# Altium PCB PCB.PcbDoc (part 8 of 10) (continued)
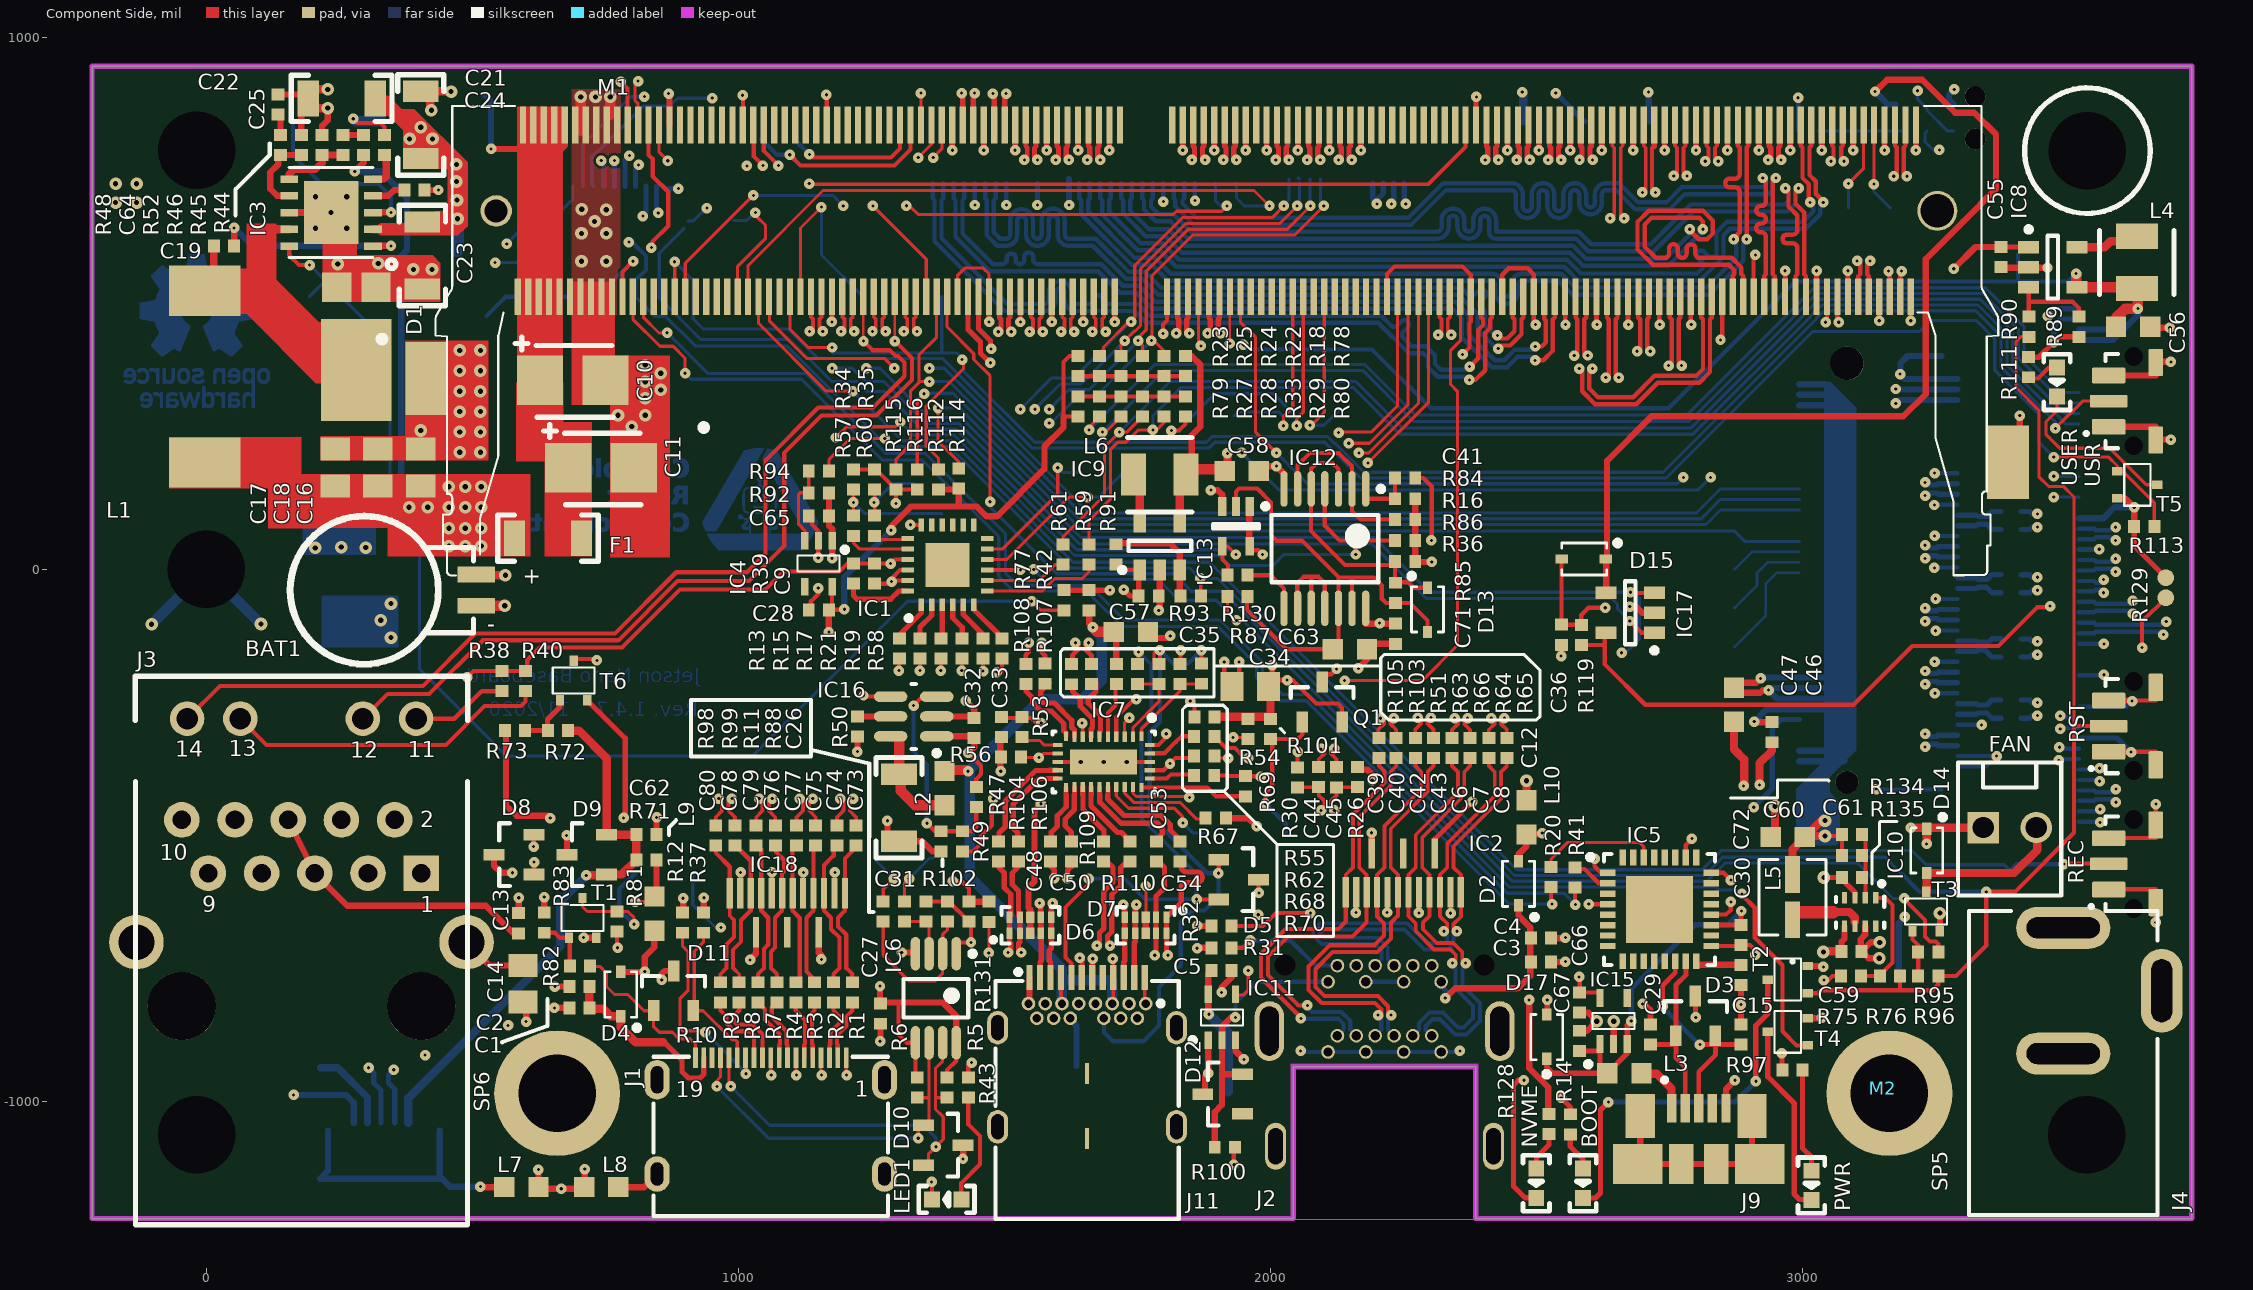
[diagram p0: Component Side view]
## Nets (pads, with @x,y where several pads share a name; then routed paths per layer and width w, separated by ;. In a path a pad name is that pad's centre, name@x,y a point inside that pad or via, vN(x,y) a via of type N, cw(c..) or ccw(c..) an arc to the next point about the centre after c; other vN are vias at no path point) (continued)
18.52,363.51 ; 13.1,363.87 18.52,363.87 ; 13.1,364.23 18.52,364.23 ; 13.1,364.59 18.52,364.59 ; 13.1,364.95 18.52,364.95 ; 13.1,365.32 18.52,365.32 ; 13.1,365.68 18.52,365.68 ; 13.1,366.04 18.52,366.04 ; 13.1,366.4 18.52,366.4 ; 13.1,366.76 18.52,366.76 ; 13.1,367.12 18.52,367.12 ; 13.1,367.49 18.52,367.49 ; 13.1,367.85 18.52,367.85 ; 13.1,368.21 18.52,368.21 ; 13.1,368.57 18.88,368.57 ; 13.1,368.93 18.88,368.93 ; 13.1,369.29 18.88,369.29 ; 13.1,369.65 19.24,369.65 ; 13.1,370.02 19.24,370.02 ; 13.1,370.38 19.61,370.38 ; 13.1,370.74 19.61,370.74 ; 13.1,371.1 19.97,371.1 ; 13.1,410.86 14.91,410.86 ; 13.1,411.23 15.63,411.23 ; 13.46,371.46 20.33,371.46 ; 13.46,371.82 20.69,371.82 ; 13.46,372.18 21.05,372.18 ; 13.46,410.5 14.18,410.5 ; 13.82,372.55 21.77,372.55 ; 13.82,372.91 22.86,372.91 ; 14.18,373.27 35.51,373.27 ; 14.18,373.63 35.51,373.63 ; 14.54,373.99 35.51,373.99 ; 14.54,374.35 35.51,374.35 ; 14.91,374.72 35.51,374.72 ; 15.27,375.08 35.51,375.08 ; 15.63,375.44 29.73,375.44 ; 15.99,330.61 28.28,330.61 ; 15.99,330.97 27.92,330.97 ; 15.99,331.34 27.56,331.34 ; 15.99,375.8 29.37,375.8 ; 15.99,376.16 29,376.16 ; 16.35,330.25 28.64,330.25 ; 16.35,331.7 26.83,331.7 ; 16.71,329.89 34.79,329.89 ; 16.71,376.52 28.64,376.52 ; 17.07,329.53 34.79,329.53 ; 17.07,332.06 26.11,332.06 ; 17.07,376.88 27.92,376.88 ; 17.44,329.17 34.79,329.17 ; 17.8,328.44 34.79,328.44 ; 17.8,328.81 34.79,328.81 ; 17.8,332.42 25.75,332.42 ; 17.8,377.25 27.56,377.25 ; 18.16,328.08 34.79,328.08 ; 18.52,327.72 22.86,327.72 ; 18.52,332.78 24.67,332.78 ; 18.52,377.61 26.83,377.61 ; 18.88,327.36 21.41,327.36 ; 19.24,327 20.69,327 ; 19.24,377.97 26.11,377.97 ; 19.61,326.64 19.97,326.64 ; 19.97,333.14 22.86,333.14 ; 20.33,378.33 24.67,378.33 ; 23.58,555.82 63.71,555.82 ; 23.94,327.72 34.79,327.72 ; 24.3,556.18 63.35,556.18 ; 24.67,556.54 62.98,556.54 ; 25.03,415.56 62.62,415.56 ; 25.03,556.91 62.62,556.91 ; 25.75,327.36 34.79,327.36 ; 25.75,372.91 35.51,372.91 ; 25.75,415.2 62.26,415.2 ; 25.75,557.27 62.26,557.27 ; 26.11,557.63 61.9,557.63 ; 26.47,327 34.79,327 ; 26.47,414.84 61.9,414.84 ; 26.83,326.64 34.79,326.64 ; 26.83,372.55 35.51,372.55 ; 26.83,414.48 61.54,414.48 ; 26.83,557.99 61.54,557.99 ; 27.2,558.35 61.18,558.35 ; 27.56,325.91 34.79,325.91 ; 27.56,326.28 34.79,326.28 ; 27.56,372.18 35.51,372.18 ; 27.56,414.12 61.18,414.12 ; 27.92,325.55 34.79,325.55 ; 27.92,371.82 35.51,371.82 ; 27.92,413.76 60.82,413.76 ; 27.92,558.71 60.82,558.71 ; 28.28,324.83 34.79,324.83 ; 28.28,325.19 34.79,325.19 ; 28.28,371.46 35.51,371.46 ; 28.28,559.08 60.45,559.08 ; 28.64,324.11 34.79,324.11 ; 28.64,324.47 34.79,324.47 ; 28.64,371.1 35.51,371.1 ; 28.64,413.39 60.45,413.39 ; 29,304.59 34.79,304.59 ; 29,304.95 34.79,304.95 ; 29,305.31 34.79,305.31 ; 29,305.67 34.79,305.67 ; 29,306.03 34.79,306.03 ; 29,306.39 34.79,306.39 ; 29,306.76 34.79,306.76 ; 29,307.12 34.79,307.12 ; 29,307.48 34.79,307.48 ; 29,307.84 34.79,307.84 ; 29,308.2 34.79,308.2 ; 29,308.56 34.79,308.56 ; 29,308.92 34.79,308.92 ; 29,309.29 34.79,309.29 ; 29,309.65 34.79,309.65 ; 29,310.01 34.79,310.01 ; 29,310.37 34.79,310.37 ; 29,310.73 34.79,310.73 ; 29,311.09 34.79,311.09 ; 29,311.45 34.79,311.45 ; 29,311.82 34.79,311.82 ; 29,312.18 34.79,312.18 ; 29,312.54 34.79,312.54 ; 29,312.9 34.79,312.9 ; 29,313.26 34.79,313.26 ; 29,313.62 34.79,313.62 ; 29,313.98 34.79,313.98 ; 29,314.35 34.79,314.35 ; 29,314.71 34.79,314.71 ; 29,315.07 34.79,315.07 ; 29,315.43 34.79,315.43 ; 29,315.79 34.79,315.79 ; 29,316.15 34.79,316.15 ; 29,316.52 34.79,316.52 ; 29,316.88 34.79,316.88 ; 29,317.24 34.79,317.24 ; 29,317.6 34.79,317.6 ; 29,317.96 34.79,317.96 ; 29,318.32 34.79,318.32 ; 29,318.68 34.79,318.68 ; 29,319.05 34.79,319.05 ; 29,319.41 34.79,319.41 ; 29,319.77 34.79,319.77 ; 29,320.13 34.79,320.13 ; 29,320.49 34.79,320.49 ; 29,320.85 34.79,320.85 ; 29,321.21 34.79,321.21 ; 29,321.58 34.79,321.58 ; 29,321.94 34.79,321.94 ; 29,322.3 34.79,322.3 ; 29,322.66 34.79,322.66 ; 29,323.02 34.79,323.02 ; 29,323.38 34.79,323.38 ; 29,323.75 34.79,323.75 ; 29,330.25 34.79,330.25 ; 29,330.61 34.79,330.61 ; 29,330.97 34.79,330.97 ; 29,331.34 34.79,331.34 ; 29,331.7 34.79,331.7 ; 29,332.06 34.79,332.06 ; 29,332.42 34.79,332.42 ; 29,332.78 34.79,332.78 ; 29,370.74 35.51,370.74 ; 29,413.03 60.09,413.03 ; 29,559.44 60.09,559.44 ; 29.37,370.02 35.51,370.02 ; 29.37,370.38 35.51,370.38 ; 29.37,412.67 59.73,412.67 ; 29.37,559.8 59.73,559.8 ; 29.73,368.93 35.51,368.93 ; 29.73,369.29 35.51,369.29 ; 29.73,369.65 35.51,369.65 ; 30.09,350.13 35.51,350.13 ; 30.09,350.5 35.51,350.5 ; 30.09,350.86 35.51,350.86 ; 30.09,351.22 35.51,351.22 ; 30.09,351.58 35.51,351.58 ; 30.09,351.94 35.51,351.94 ; 30.09,352.3 35.51,352.3 ; 30.09,352.66 35.51,352.66 ; 30.09,353.03 35.51,353.03 ; 30.09,353.39 35.51,353.39 ; 30.09,353.75 35.51,353.75 ; 30.09,354.11 35.51,354.11 ; 30.09,354.47 35.51,354.47 ; 30.09,354.83 35.51,354.83 ; 30.09,355.19 35.51,355.19 ; 30.09,355.56 35.51,355.56 ; 30.09,355.92 35.51,355.92 ; 30.09,356.28 35.51,356.28 ; 30.09,356.64 35.51,356.64 ; 30.09,357 35.51,357 ; 30.09,357.36 35.51,357.36 ; 30.09,357.73 35.51,357.73 ; 30.09,358.09 35.51,358.09 ; 30.09,358.45 35.51,358.45 ; 30.09,358.81 35.51,358.81 ; 30.09,359.17 35.51,359.17 ; 30.09,359.53 35.51,359.53 ; 30.09,359.89 35.51,359.89 ; 30.09,360.26 35.51,360.26 ; 30.09,360.62 35.51,360.62 ; 30.09,360.98 35.51,360.98 ; 30.09,361.34 35.51,361.34 ; 30.09,361.7 35.51,361.7 ; 30.09,362.06 35.51,362.06 ; 30.09,362.42 35.51,362.42 ; 30.09,362.79 35.51,362.79 ; 30.09,363.15 35.51,363.15 ; 30.09,363.51 35.51,363.51 ; 30.09,363.87 35.51,363.87 ; 30.09,364.23 35.51,364.23 ; 30.09,364.59 35.51,364.59 ; 30.09,364.95 35.51,364.95 ; 30.09,365.32 35.51,365.32 ; 30.09,365.68 35.51,365.68 ; 30.09,366.04 35.51,366.04 ; 30.09,366.4 35.51,366.4 ; 30.09,366.76 35.51,366.76 ; 30.09,367.12 35.51,367.12 ; 30.09,367.49 35.51,367.49 ; 30.09,367.85 35.51,367.85 ; 30.09,368.21 35.51,368.21 ; 30.09,368.57 35.51,368.57 ; 30.09,375.44 35.51,375.44 ; 30.09,375.8 35.51,375.8 ; 30.09,376.16 35.51,376.16 ; 30.09,376.52 35.51,376.52 ; 30.09,376.88 35.51,376.88 ; 30.09,377.25 35.51,377.25 ; 30.09,377.61 35.51,377.61 ; 30.09,377.97 35.51,377.97 ; 30.09,412.31 59.37,412.31 ; 30.09,560.16 59.37,560.16 ; 30.45,411.95 59.01,411.95 ; 30.45,560.52 59.01,560.52 ; 30.81,560.88 58.65,560.88 ; 31.17,411.59 58.65,411.59 ; 31.53,411.23 58.28,411.23 ; 31.53,561.24 58.28,561.24 ; 31.9,561.61 57.92,561.61 ; 32.26,410.86 57.92,410.86 ; 32.62,410.5 57.56,410.5 ; 32.62,561.97 57.56,561.97 ; 32.98,562.33 57.2,562.33 ; 33.34,410.14 57.2,410.14 ; 33.7,409.78 56.84,409.78 ; 33.7,562.69 56.84,562.69 ; 34.06,563.05 56.48,563.05 ; 34.43,409.42 56.48,409.42 ; 34.79,409.06 56.12,409.06 ; 34.79,563.41 56.12,563.41 ; 35.15,408.7 55.75,408.7 ; 35.15,563.77 55.75,563.77 ; 35.87,408.33 55.39,408.33 ; 35.87,564.14 55.39,564.14 ; 36.23,407.97 55.03,407.97 ; 36.23,564.5 55.03,564.5 ; 36.96,407.61 54.67,407.61 ; 36.96,564.86 54.67,564.86 ; 37.32,407.25 54.31,407.25 ; 37.32,565.22 54.31,565.22 ; 37.68,565.58 53.95,565.58 ; 38.04,406.89 53.95,406.89 ; 38.4,406.53 53.59,406.53 ; 38.4,565.94 53.59,565.94 ; 38.76,566.3 53.22,566.3 ; 39.13,406.16 53.22,406.16 ; 39.49,405.8 52.86,405.8 ; 39.49,566.67 52.86,566.67 ; 39.85,567.03 52.5,567.03 ; 40.21,405.44 52.5,405.44 ; 40.57,405.08 52.14,405.08 ; 40.57,567.39 52.14,567.39 ; 40.93,362.06 64.07,362.06 ; 40.93,362.42 64.07,362.42 ; 40.93,362.79 64.07,362.79 ; 40.93,363.15 64.07,363.15 ; 40.93,363.51 64.07,363.51 ; 40.93,363.87 64.07,363.87 ; 40.93,364.23 64.07,364.23 ; 40.93,364.59 64.07,364.59 ; 40.93,364.95 64.07,364.95 ; 40.93,365.32 64.07,365.32 ; 40.93,365.68 64.07,365.68 ; 40.93,366.04 64.07,366.04 ; 40.93,366.4 64.07,366.4 ; 40.93,366.76 46.36,366.76 ; 40.93,367.12 46.36,367.12 ; 40.93,367.49 46.36,367.49 ; 40.93,367.85 46.36,367.85 ; 40.93,368.21 46.72,368.21 ; 40.93,368.57 46.72,368.57 ; 40.93,368.93 46.72,368.93 ; 40.93,404.72 51.78,404.72 ; 40.93,567.75 51.78,567.75 ; 41.29,304.59 46.72,304.59 ; 41.29,304.95 46.72,304.95 ; 41.29,305.31 46.72,305.31 ; 41.29,305.67 46.72,305.67 ; 41.29,306.03 46.72,306.03 ; 41.29,306.39 46.72,306.39 ; 41.29,306.76 46.72,306.76 ; 41.29,307.12 61.9,307.12 ; 41.29,307.48 62.26,307.48 ; 41.29,307.84 62.62,307.84 ; 41.29,308.2 62.62,308.2 ; 41.29,308.56 62.98,308.56 ; 41.29,308.92 62.98,308.92 ; 41.29,309.29 63.35,309.29 ; 41.29,309.65 49.61,309.65 ; 41.29,310.01 48.52,310.01 ; 41.29,310.37 48.16,310.37 ; 41.29,310.73 47.8,310.73 ; 41.29,311.09 47.44,311.09 ; 41.29,311.45 47.44,311.45 ; 41.29,311.82 47.08,311.82 ; 41.29,312.18 47.08,312.18 ; 41.29,312.54 47.08,312.54 ; 41.29,312.9 46.72,312.9 ; 41.29,313.26 46.72,313.26 ; 41.29,313.62 46.72,313.62 ; 41.29,313.98 46.72,313.98 ; 41.29,314.35 46.72,314.35 ; 41.29,314.71 46.72,314.71 ; 41.29,315.07 46.72,315.07 ; 41.29,315.43 46.72,315.43 ; 41.29,315.79 46.72,315.79 ; 41.29,316.15 46.72,316.15 ; 41.29,316.52 46.72,316.52 ; 41.29,316.88 62.98,316.88 ; 41.29,317.24 62.98,317.24 ; 41.29,317.6 62.62,317.6 ; 41.29,317.96 62.26,317.96 ; 41.29,318.32 61.9,318.32 ; 41.29,318.68 61.9,318.68 ; 41.29,319.05 61.18,319.05 ; 41.29,319.41 60.82,319.41 ; 41.29,319.77 60.45,319.77 ; 41.29,320.13 59.73,320.13 ; 41.29,320.49 59.01,320.49 ; 41.29,320.85 57.56,320.85 ; 41.29,321.21 47.08,321.21 ; 41.29,321.58 46.72,321.58 ; 41.29,321.94 46.72,321.94 ; 41.29,322.3 46.72,322.3 ; 41.29,322.66 46.72,322.66 ; 41.29,323.02 46.72,323.02 ; 41.29,323.38 46.72,323.38 ; 41.29,323.75 46.72,323.75 ; 41.29,324.11 46.72,324.11 ; 41.29,324.47 46.72,324.47 ; 41.29,324.83 46.72,324.83 ; 41.29,325.19 46.72,325.19 ; 41.29,325.55 47.08,325.55 ; 41.29,325.91 47.08,325.91 ; 41.29,369.29 46.72,369.29 ; 41.29,369.65 47.08,369.65 ; 41.29,370.02 47.08,370.02 ; 41.29,370.38 47.44,370.38 ; 41.66,326.28 47.44,326.28 ; 41.66,326.64 47.44,326.64 ; 41.66,327 47.8,327 ; 41.66,327.36 48.52,327.36 ; 41.66,353.75 61.54,353.75 ; 41.66,354.11 61.54,354.11 ; 41.66,370.74 47.44,370.74 ; 41.66,371.1 47.8,371.1 ; 41.66,371.46 48.16,371.46 ; 41.66,404.36 51.42,404.36 ; 41.66,568.11 51.42,568.11 ; 42.02,327.72 49.61,327.72 ; 42.02,328.08 52.5,328.08 ; 42.02,328.44 61.54,328.44 ; 42.02,353.39 61.18,353.39 ; 42.02,354.47 61.9,354.47 ; 42.02,371.82 48.52,371.82 ; 42.02,372.18 48.89,372.18 ; 42.02,404 51.05,404 ; 42.02,568.47 51.05,568.47 ; 42.38,328.81 61.9,328.81 ; 42.38,353.03 60.82,353.03 ; 42.38,354.83 50.33,354.83 ; 42.38,372.55 49.25,372.55 ; 42.38,372.91 49.97,372.91 ; 42.74,329.17 62.62,329.17 ; 42.74,329.53 62.26,329.53 ; 42.74,355.19 48.89,355.19 ; 42.74,373.27 51.05,373.27 ; 42.74,373.63 61.9,373.63 ; 42.74,403.63 50.69,403.63 ; 42.74,568.84 50.69,568.84 ; 43.1,329.89 61.9,329.89 ; 43.1,352.66 60.45,352.66 ; 43.1,373.99 61.54,373.99 ; 43.1,403.27 50.33,403.27 ; 43.1,569.2 50.33,569.2 ; 43.46,330.25 61.9,330.25 ; 43.46,352.3 60.09,352.3 ; 43.46,355.56 48.16,355.56 ; 43.46,374.35 61.18,374.35 ; 43.46,569.56 49.97,569.56 ; 43.82,330.61 61.18,330.61 ; 43.82,351.94 59.73,351.94 ; 43.82,355.92 47.44,355.92 ; 43.82,374.72 61.18,374.72 ; 43.82,402.91 49.97,402.91 ; 44.19,330.97 60.82,330.97 ; 44.19,356.28 46.72,356.28 ; 44.19,375.08 60.82,375.08 ; 44.19,402.55 49.61,402.55 ; 44.19,569.92 49.61,569.92 ; 44.55,331.34 60.45,331.34 ; 44.55,351.58 59.01,351.58 ; 44.55,356.64 46.36,356.64 ; 44.55,375.44 60.45,375.44 ; 44.55,570.28 49.25,570.28 ; 44.91,351.22 58.65,351.22 ; 44.91,357 45.99,357 ; 44.91,375.8 60.09,375.8 ; 44.91,402.19 49.25,402.19 ; 45.27,331.7 59.73,331.7 ; 45.27,376.16 59.73,376.16 ; 45.27,401.83 48.89,401.83 ; 45.27,570.64 48.89,570.64 ; 45.63,350.86 57.92,350.86 ; 45.63,571 48.52,571 ; 45.99,332.06 59.37,332.06 ; 45.99,376.52 59.01,376.52 ; 45.99,401.47 48.52,401.47 ; 46.36,350.5 56.84,350.5 ; 46.36,376.88 58.65,376.88 ; 46.36,401.1 47.8,401.1 ; 46.36,571.37 48.16,571.37 ; 47.08,332.42 58.28,332.42 ; 47.08,377.25 57.92,377.25 ; 47.44,306.76 61.54,306.76 ; 47.44,350.13 56.12,350.13 ; 47.8,306.03 60.45,306.03 ; 47.8,306.39 61.18,306.39 ; 47.8,377.61 57.2,377.61 ; 48.16,305.67 60.09,305.67 ; 48.16,332.78 57.2,332.78 ; 48.89,305.31 59.37,305.31 ; 48.89,349.77 54.67,349.77 ; 48.89,377.97 56.48,377.97 ; 49.61,304.95 58.65,304.95 ; 49.97,378.33 55.03,378.33 ; 50.33,333.14 55.03,333.14 ; 50.69,304.59 57.2,304.59 ; 53.22,304.22 54.67,304.22 ; 53.22,328.08 61.18,328.08 ; 53.59,354.83 62.26,354.83 ; 53.95,373.27 61.9,373.27 ; 54.67,355.19 62.26,355.19 ; 55.03,372.91 62.26,372.91 ; 55.39,316.52 63.35,316.52 ; 55.39,355.56 62.62,355.56 ; 55.75,309.65 63.35,309.65 ; 55.75,327.72 60.45,327.72 ; 55.75,372.55 62.26,372.55 ; 56.12,355.92 62.62,355.92 ; 56.12,372.18 62.62,372.18 ; 56.48,356.28 62.98,356.28 ; 56.84,310.01 63.71,310.01 ; 56.84,316.15 63.35,316.15 ; 56.84,327.36 60.09,327.36 ; 56.84,356.64 62.98,356.64 ; 56.84,371.82 62.62,371.82 ; 57.2,327 59.73,327 ; 57.2,357 62.98,357 ; 57.2,371.1 62.98,371.1 ; 57.2,371.46 62.98,371.46 ; 57.56,310.37 63.71,310.37 ; 57.56,315.79 63.71,315.79 ; 57.56,326.64 59.01,326.64 ; 57.56,357.36 63.35,357.36 ; 57.56,357.73 63.35,357.73 ; 57.56,370.74 63.35,370.74 ; 57.92,310.73 63.71,310.73 ; 57.92,315.43 63.71,315.43 ; 57.92,326.28 58.65,326.28 ; 57.92,358.09 63.35,358.09 ; 57.92,358.45 63.71,358.45 ; 57.92,370.02 63.35,370.02 ; 57.92,370.38 63.35,370.38 ; 58.28,311.09 64.07,311.09 ; 58.28,315.07 63.71,315.07 ; 58.28,358.81 63.71,358.81 ; 58.28,359.17 63.71,359.17 ; 58.28,359.53 63.71,359.53 ; 58.28,368.93 63.71,368.93 ; 58.28,369.29 63.71,369.29 ; 58.28,369.65 63.35,369.65 ; 58.65,311.45 64.07,311.45 ; 58.65,311.82 64.07,311.82 ; 58.65,312.18 64.07,312.18 ; 58.65,312.54 64.07,312.54 ; 58.65,313.62 64.07,313.62 ; 58.65,313.98 64.07,313.98 ; 58.65,314.35 64.07,314.35 ; 58.65,314.71 63.71,314.71 ; 58.65,359.89 64.07,359.89 ; 58.65,360.26 64.07,360.26 ; 58.65,360.62 64.07,360.62 ; 58.65,360.98 64.07,360.98 ; 58.65,361.34 64.07,361.34 ; 58.65,361.7 64.07,361.7 ; 58.65,366.76 64.07,366.76 ; 58.65,367.12 64.07,367.12 ; 58.65,367.49 64.07,367.49 ; 58.65,367.85 64.07,367.85 ; 58.65,368.21 63.71,368.21 ; 58.65,368.57 63.71,368.57 ; 59.01,312.9 64.07,312.9 ; 59.01,313.26 64.07,313.26 ; 68.41,304.59 73.83,304.59 ; 68.41,304.95 73.83,304.95 ; 68.41,305.31 73.83,305.31 ; 68.41,305.67 73.83,305.67 ; 68.41,306.03 73.83,306.03 ; 68.41,306.39 73.83,306.39 ; 68.41,306.76 73.83,306.76 ; 68.41,307.12 73.83,307.12 ; 68.41,307.48 73.83,307.48 ; 68.41,307.84 73.83,307.84 ; 68.41,308.2 73.83,308.2 ; 68.41,308.56 73.83,308.56 ; 68.41,308.92 73.83,308.92 ; 68.41,309.29 73.83,309.29 ; 68.41,309.65 73.83,309.65 ; 68.41,310.01 73.83,310.01 ; 68.41,310.37 73.83,310.37 ; 68.41,310.73 73.83,310.73 ; 68.41,311.09 73.83,311.09 ; 68.41,311.45 73.83,311.45 ; 68.41,311.82 73.83,311.82 ; 68.41,312.18 73.83,312.18 ; 68.41,312.54 73.83,312.54 ; 68.41,312.9 73.83,312.9 ; 68.41,313.26 73.83,313.26 ; 68.41,313.62 73.83,313.62 ; 68.41,313.98 73.83,313.98 ; 68.41,314.35 73.83,314.35 ; 68.41,314.71 73.83,314.71 ; 68.41,315.07 73.83,315.07 ; 68.41,315.43 73.83,315.43 ; 68.41,315.79 73.83,315.79 ; 68.41,316.15 73.83,316.15 ; 68.41,316.52 73.83,316.52 ; 68.41,316.88 73.83,316.88 ; 68.41,317.24 73.83,317.24 ; 68.41,317.6 73.83,317.6 ; 68.41,317.96 73.83,317.96 ; 68.41,318.32 73.83,318.32 ; 68.41,318.68 73.83,318.68 ; 68.41,319.05 73.83,319.05 ; 68.41,319.41 73.83,319.41 ; 68.41,319.77 73.83,319.77 ; 68.41,320.13 73.83,320.13 ; 68.41,320.49 73.83,320.49 ; 68.41,320.85 73.83,320.85 ; 68.41,321.21 73.83,321.21 ; 68.41,321.58 73.83,321.58 ; 68.41,321.94 73.83,321.94 ; 68.41,322.3 73.83,322.3 ; 68.41,322.66 74.19,322.66 ; 68.41,323.02 74.19,323.02 ; 68.41,323.38 74.19,323.38 ; 68.41,323.75 74.19,323.75 ; 68.41,324.11 74.19,324.11 ; 68.41,324.47 74.55,324.47 ; 68.41,324.83 74.55,324.83 ; 68.41,359.17 74.19,359.17 ; 68.41,359.53 74.19,359.53 ; 68.41,359.89 74.19,359.89 ; 68.41,360.26 74.19,360.26 ; 68.41,360.62 74.19,360.62 ; 68.41,360.98 74.19,360.98 ; 68.41,361.34 73.83,361.34 ; 68.41,361.7 73.83,361.7 ; 68.41,362.06 73.83,362.06 ; 68.41,362.42 73.83,362.42 ; 68.41,362.79 73.83,362.79 ; 68.41,363.15 73.83,363.15 ; 68.41,363.51 73.83,363.51 ; 68.41,363.87 73.83,363.87 ; 68.41,364.23 73.83,364.23 ; 68.41,364.59 73.83,364.59 ; 68.41,364.95 73.83,364.95 ; 68.41,365.32 73.83,365.32 ; 68.41,365.68 73.83,365.68 ; 68.41,366.04 73.83,366.04 ; 68.41,366.4 73.83,366.4 ; 68.41,366.76 73.83,366.76 ; 68.41,367.12 74.19,367.12 ; 68.41,367.49 74.19,367.49 ; 68.41,367.85 74.19,367.85 ; 68.41,368.21 74.19,368.21 ; 68.41,368.57 74.19,368.57 ; 68.41,368.93 74.19,368.93 ; 68.77,325.19 74.91,325.19 ; 68.77,325.55 75.27,325.55 ; 68.77,325.91 75.27,325.91 ; 68.77,326.28 75.64,326.28 ; 68.77,326.64 76.36,326.64 ; 68.77,356.64 75.64,356.64 ; 68.77,357 75.27,357 ; 68.77,357.36 74.91,357.36 ; 68.77,357.73 74.91,357.73 ; 68.77,358.09 74.55,358.09 ; 68.77,358.45 74.55,358.45 ; 68.77,358.81 74.55,358.81 ; 68.77,369.29 74.55,369.29 ; 68.77,369.65 74.55,369.65 ; 68.77,370.02 74.55,370.02 ; 68.77,370.38 74.91,370.38 ; 68.77,370.74 74.91,370.74 ; 68.77,371.1 75.27,371.1 ; 68.77,371.46 75.64,371.46 ; 69.13,327 76.72,327 ; 69.13,327.36 77.44,327.36 ; 69.13,327.72 78.89,327.72 ; 69.13,355.19 78.17,355.19 ; 69.13,355.56 77.08,355.56 ; 69.13,355.92 76.36,355.92 ; 69.13,356.28 76,356.28 ; 69.13,371.82 76,371.82 ; 69.13,372.18 76.36,372.18 ; 69.13,372.55 77.08,372.55 ; 69.13,372.91 78.17,372.91 ; 69.49,328.08 91.18,328.08 ; 69.49,354.47 91.18,354.47 ; 69.49,354.83 91.18,354.83 ; 69.49,373.27 91.18,373.27 ; 69.49,373.63 91.18,373.63 ; 69.85,328.44 91.18,328.44 ; 69.85,328.81 91.18,328.81 ; 69.85,354.11 91.18,354.11 ; 69.85,373.99 91.18,373.99 ; 70.21,329.17 91.18,329.17 ; 70.21,329.53 91.18,329.53 ; 70.21,353.39 91.18,353.39 ; 70.21,353.75 91.18,353.75 ; 70.21,374.35 91.18,374.35 ; 70.21,374.72 91.18,374.72 ; 70.58,329.89 91.18,329.89 ; 70.58,353.03 91.18,353.03 ; 70.58,375.08 91.18,375.08 ; 70.94,330.25 85.03,330.25 ; 70.94,352.66 85.03,352.66 ; 70.94,375.44 85.03,375.44 ; 71.3,330.61 84.67,330.61 ; 71.3,352.3 84.67,352.3 ; 71.3,375.8 84.67,375.8 ; 71.66,330.97 84.31,330.97 ; 71.66,351.94 84.31,351.94 ; 71.66,376.16 84.31,376.16 ; 72.02,351.58 83.95,351.58 ; 72.02,376.52 83.95,376.52 ; 72.38,331.34 83.95,331.34 ; 72.38,351.22 83.23,351.22 ; 72.38,376.88 83.59,376.88 ; 72.74,331.7 83.23,331.7 ; 73.11,350.86 82.5,350.86 ; 73.11,377.25 82.87,377.25 ; 73.47,332.06 82.5,332.06 ; 73.47,350.5 82.14,350.5 ; 73.83,377.61 82.14,377.61 ; 74.19,332.42 82.14,332.42 ; 74.55,350.13 81.06,350.13 ; 74.55,377.97 81.06,377.97 ; 74.91,332.78 81.06,332.78 ; 75.64,349.77 80.34,349.77 ; 75.64,378.33 80.34,378.33 ; 76.36,333.14 79.25,333.14 ; 80.34,327.72 91.18,327.72 ; 81.42,355.19 91.18,355.19 ; 81.42,372.91 91.18,372.91 ; 82.14,327.36 91.18,327.36 ; 82.14,372.55 91.18,372.55 ; 82.5,355.56 91.18,355.56 ; 82.87,327 91.18,327 ; 82.87,372.18 91.18,372.18 ; 83.23,326.64 91.18,326.64 ; 83.23,355.92 91.18,355.92 ; 83.59,326.28 91.18,326.28 ; 83.59,356.28 91.18,356.28 ; 83.59,371.82 91.18,371.82 ; 83.95,325.91 91.18,325.91 ; 83.95,356.64 91.18,356.64 ; 83.95,357 91.18,357 ; 83.95,371.1 91.18,371.1 ; 83.95,371.46 91.18,371.46 ; 84.31,325.55 91.18,325.55 ; 84.31,357.36 91.18,357.36 ; 84.31,370.74 91.18,370.74 ; 84.67,324.83 91.18,324.83 ; 84.67,325.19 91.18,325.19 ; 84.67,357.73 91.18,357.73 ; 84.67,358.09 91.18,358.09 ; 84.67,369.65 91.18,369.65 ; 84.67,370.02 91.18,370.02 ; 84.67,370.38 91.18,370.38 ; 85.03,323.75 91.18,323.75 ; 85.03,324.11 91.18,324.11 ; 85.03,324.47 91.18,324.47 ; 85.03,358.45 91.18,358.45 ; 85.03,358.81 91.18,358.81 ; 85.03,359.17 91.18,359.17 ; 85.03,359.53 91.18,359.53 ; 85.03,368.57 91.18,368.57 ; 85.03,368.93 91.18,368.93 ; 85.03,369.29 91.18,369.29 ; 85.4,304.59 91.18,304.59 ; 85.4,304.95 91.18,304.95 ; 85.4,305.31 91.18,305.31 ; 85.4,305.67 91.18,305.67 ; 85.4,306.03 91.18,306.03 ; 85.4,306.39 91.18,306.39 ; 85.4,306.76 91.18,306.76 ; 85.4,307.12 91.18,307.12 ; 85.4,307.48 91.18,307.48 ; 85.4,307.84 91.18,307.84 ; 85.4,308.2 91.18,308.2 ; 85.4,308.56 91.18,308.56 ; 85.4,308.92 91.18,308.92 ; 85.4,309.29 91.18,309.29 ; 85.4,309.65 91.18,309.65 ; 85.4,310.01 91.18,310.01 ; 85.4,310.37 91.18,310.37 ; 85.4,310.73 91.18,310.73 ; 85.4,311.09 91.18,311.09 ; 85.4,311.45 91.18,311.45 ; 85.4,311.82 91.18,311.82 ; 85.4,312.18 91.18,312.18 ; 85.4,312.54 91.18,312.54 ; 85.4,312.9 91.18,312.9 ; 85.4,313.26 91.18,313.26 ; 85.4,313.62 91.18,313.62 ; 85.4,313.98 91.18,313.98 ; 85.4,314.35 91.18,314.35 ; 85.4,314.71 91.18,314.71 ; 85.4,315.07 91.18,315.07 ; 85.4,315.43 91.18,315.43 ; 85.4,315.79 91.18,315.79 ; 85.4,316.15 91.18,316.15 ; 85.4,316.52 91.18,316.52 ; 85.4,316.88 91.18,316.88 ; 85.4,317.24 91.18,317.24 ; 85.4,317.6 91.18,317.6 ; 85.4,317.96 91.18,317.96 ; 85.4,318.32 91.18,318.32 ; 85.4,318.68 91.18,318.68 ; 85.4,319.05 91.18,319.05 ; 85.4,319.41 91.18,319.41 ; 85.4,319.77 91.18,319.77 ; 85.4,320.13 91.18,320.13 ; 85.4,320.49 91.18,320.49 ; 85.4,320.85 91.18,320.85 ; 85.4,321.21 91.18,321.21 ; 85.4,321.58 91.18,321.58 ; 85.4,321.94 91.18,321.94 ; 85.4,322.3 91.18,322.3 ; 85.4,322.66 91.18,322.66 ; 85.4,323.02 91.18,323.02 ; 85.4,323.38 91.18,323.38 ; 85.4,330.25 91.18,330.25 ; 85.4,330.61 91.18,330.61 ; 85.4,330.97 91.18,330.97 ; 85.4,331.34 91.18,331.34 ; 85.4,331.7 91.18,331.7 ; 85.4,332.06 91.18,332.06 ; 85.4,332.42 91.18,332.42 ; 85.4,332.78 91.18,332.78 ; 85.4,333.14 91.18,333.14 ; 85.4,333.51 91.18,333.51 ; 85.4,333.87 91.18,333.87 ; 85.4,334.23 91.18,334.23 ; 85.4,334.59 91.18,334.59 ; 85.4,334.95 91.18,334.95 ; 85.4,335.31 91.18,335.31 ; 85.4,335.67 91.18,335.67 ; 85.4,336.04 91.18,336.04 ; 85.4,336.4 91.18,336.4 ; 85.4,336.76 91.18,336.76 ; 85.4,337.12 91.18,337.12 ; 85.4,337.48 91.18,337.48 ; 85.4,337.84 91.18,337.84 ; 85.4,338.2 91.18,338.2 ; 85.4,338.57 91.18,338.57 ; 85.4,338.93 91.18,338.93 ; 85.4,339.29 91.18,339.29 ; 85.4,339.65 91.18,339.65 ; 85.4,340.01 91.18,340.01 ; 85.4,340.37 91.18,340.37 ; 85.4,340.74 91.18,340.74 ; 85.4,341.1 91.18,341.1 ; 85.4,341.46 91.18,341.46 ; 85.4,341.82 91.18,341.82 ; 85.4,342.18 91.18,342.18 ; 85.4,342.54 91.18,342.54 ; 85.4,342.9 91.18,342.9 ; 85.4,343.27 91.18,343.27 ; 85.4,343.63 91.18,343.63 ; 85.4,343.99 91.18,343.99 ; 85.4,344.35 91.18,344.35 ; 85.4,344.71 91.18,344.71 ; 85.4,345.07 91.18,345.07 ; 85.4,345.43 91.18,345.43 ; 85.4,345.8 91.18,345.8 ; 85.4,346.16 91.18,346.16 ; 85.4,346.52 91.18,346.52 ; 85.4,346.88 91.18,346.88 ; 85.4,347.24 91.18,347.24 ; 85.4,347.6 91.18,347.6 ; 85.4,347.96 91.18,347.96 ; 85.4,348.33 91.18,348.33 ; 85.4,348.69 91.18,348.69 ; 85.4,349.05 91.18,349.05 ; 85.4,349.41 91.18,349.41 ; 85.4,349.77 91.18,349.77 ; 85.4,350.13 91.18,350.13 ; 85.4,350.5 91.18,350.5 ; 85.4,350.86 91.18,350.86 ; 85.4,351.22 91.18,351.22 ; 85.4,351.58 91.18,351.58 ; 85.4,351.94 91.18,351.94 ; 85.4,352.3 91.18,352.3 ; 85.4,352.66 91.18,352.66 ; 85.4,359.89 91.18,359.89 ; 85.4,360.26 91.18,360.26 ; 85.4,360.62 91.18,360.62 ; 85.4,360.98 91.18,360.98 ; 85.4,361.34 91.18,361.34 ; 85.4,361.7 91.18,361.7 ; 85.4,362.06 91.18,362.06 ; 85.4,362.42 91.18,362.42 ; 85.4,362.79 91.18,362.79 ; 85.4,363.15 91.18,363.15 ; 85.4,363.51 91.18,363.51 ; 85.4,363.87 91.18,363.87 ; 85.4,364.23 91.18,364.23 ; 85.4,364.59 91.18,364.59 ; 85.4,364.95 91.18,364.95 ; 85.4,365.32 91.18,365.32 ; 85.4,365.68 91.18,365.68 ; 85.4,366.04 91.18,366.04 ; 85.4,366.4 91.18,366.4 ; 85.4,366.76 91.18,366.76 ; 85.4,367.12 91.18,367.12 ; 85.4,367.49 91.18,367.49 ; 85.4,367.85 91.18,367.85 ; 85.4,368.21 91.18,368.21 ; 85.4,375.44 91.18,375.44 ; 85.4,375.8 91.18,375.8 ; 85.4,376.16 91.18,376.16 ; 85.4,376.52 91.18,376.52 ; 85.4,376.88 91.18,376.88 ; 85.4,377.25 91.18,377.25 ; 85.4,377.61 91.18,377.61 ; 85.4,377.97 91.18,377.97 ; 96.24,360.26 102.02,360.26 ; 96.24,360.62 102.02,360.62 ; 96.24,360.98 102.02,360.98 ; 96.24,361.34 101.66,361.34 ; 96.24,361.7 101.66,361.7 ; 96.24,362.06 101.66,362.06 ; 96.24,362.42 101.66,362.42 ; 96.24,362.79 101.66,362.79 ; 96.24,363.15 101.66,363.15 ; 96.24,363.51 101.66,363.51 ; 96.24,363.87 101.66,363.87 ; 96.24,364.23 101.66,364.23 ; 96.24,364.59 101.66,364.59 ; 96.24,364.95 101.66,364.95 ; 96.24,365.32 101.66,365.32 ; 96.24,365.68 101.66,365.68 ; 96.24,366.04 101.66,366.04 ; 96.24,366.4 101.66,366.4 ; 96.24,366.76 101.66,366.76 ; 96.24,367.12 102.02,367.12 ; 96.24,367.49 102.02,367.49 ; 96.24,367.85 102.02,367.85 ; 96.6,358.09 102.75,358.09 ; 96.6,358.45 102.39,358.45 ; 96.6,358.81 102.39,358.81 ; 96.6,359.17 102.02,359.17 ; 96.6,359.53 102.02,359.53 ; 96.6,359.89 102.02,359.89 ; 96.6,368.21 102.02,368.21 ; 96.6,368.57 102.02,368.57 ; 96.6,368.93 102.02,368.93 ; 96.6,369.29 102.39,369.29 ; 96.6,369.65 102.39,369.65 ; 96.6,370.02 102.75,370.02 ; 96.96,357 103.47,357 ; 96.96,357.36 103.11,357.36 ; 96.96,357.73 102.75,357.73 ; 96.96,370.38 102.75,370.38 ; 96.96,370.74 103.11,370.74 ; 96.96,371.1 103.47,371.1 ; 97.33,355.92 104.56,355.92 ; 97.33,356.28 104.19,356.28 ; 97.33,356.64 103.83,356.64 ; 97.33,371.46 103.83,371.46 ; 97.33,371.82 104.19,371.82 ; 97.33,372.18 104.56,372.18 ; 97.69,355.19 106.36,355.19 ; 97.69,355.56 105.28,355.56 ; 97.69,372.55 105.28,372.55 ; 97.69,372.91 106.36,372.91 ; 98.05,354.83 117.93,354.83 ; 98.05,373.27 117.93,373.27 ; 98.41,354.11 117.21,354.11 ; 98.41,354.47 117.57,354.47 ; 98.41,373.63 117.57,373.63 ; 98.41,373.99 117.21,373.99 ; 98.77,353.75 116.85,353.75 ; 98.77,374.35 116.85,374.35 ; 99.13,353.39 116.85,353.39 ; 99.13,374.72 116.85,374.72 ; 99.49,353.03 116.48,353.03 ; 99.49,375.08 116.48,375.08 ; 99.86,352.66 116.12,352.66 ; 99.86,375.44 116.12,375.44 ; 100.22,352.3 115.76,352.3 ; 100.22,375.8 115.76,375.8 ; 100.58,351.94 115.4,351.94 ; 100.58,376.16 115.4,376.16 ; 100.94,351.58 114.68,351.58 ; 100.94,376.52 114.68,376.52 ; 101.66,351.22 114.32,351.22 ; 101.66,376.88 114.32,376.88 ; 102.39,350.86 113.59,350.86 ; 102.39,377.25 113.59,377.25 ; 103.11,350.5 112.87,350.5 ; 103.11,377.61 112.87,377.61 ; 104.19,350.13 111.79,350.13 ; 104.19,377.97 111.79,377.97 ; 105.28,349.77 110.34,349.77 ; 105.28,378.33 110.7,378.33 ; 109.25,372.91 117.93,372.91 ; 109.62,355.19 117.93,355.19 ; 110.34,372.55 118.29,372.55 ; 110.7,355.56 118.29,355.56 ; 111.06,355.92 118.29,355.92 ; 111.06,372.18 118.29,372.18 ; 111.79,356.28 118.65,356.28 ; 111.79,371.82 118.65,371.82 ; 112.15,356.64 118.65,356.64 ; 112.15,371.46 118.65,371.46 ; 112.51,357 118.65,357 ; 112.51,371.1 118.65,371.1 ; 112.87,357.36 119.01,357.36 ; 112.87,357.73 119.01,357.73 ; 112.87,370.38 119.01,370.38 ; 112.87,370.74 119.01,370.74 ; 113.23,358.09 119.01,358.09 ; 113.23,358.45 119.01,358.45 ; 113.23,369.65 119.01,369.65 ; 113.23,370.02 119.01,370.02 ; 113.59,358.81 119.01,358.81 ; 113.59,359.17 119.38,359.17 ; 113.59,359.53 119.38,359.53 ; 113.59,368.57 119.38,368.57 ; 113.59,368.93 119.38,368.93 ; 113.59,369.29 119.01,369.29 ; 113.95,359.89 119.38,359.89 ; 113.95,360.26 119.38,360.26 ; 113.95,360.62 119.38,360.62 ; 113.95,360.98 119.38,360.98 ; 113.95,361.34 119.38,361.34 ; 113.95,361.7 119.38,361.7 ; 113.95,362.06 119.38,362.06 ; 113.95,362.42 119.38,362.42 ; 113.95,362.79 119.38,362.79 ; 113.95,363.15 119.74,363.15 ; 113.95,363.51 119.74,363.51 ; 113.95,363.87 119.74,363.87 ; 113.95,364.23 119.74,364.23 ; 113.95,364.59 119.74,364.59 ; 113.95,364.95 119.74,364.95 ; 113.95,365.32 119.38,365.32 ; 113.95,365.68 119.38,365.68 ; 113.95,366.04 119.38,366.04 ; 113.95,366.4 119.38,366.4 ; 113.95,366.76 119.38,366.76 ; 113.95,367.12 119.38,367.12 ; 113.95,367.49 119.38,367.49 ; 113.95,367.85 119.38,367.85 ; 113.95,368.21 119.38,368.21